# KiCad board evr-fmc.kicad_pcb (continued)
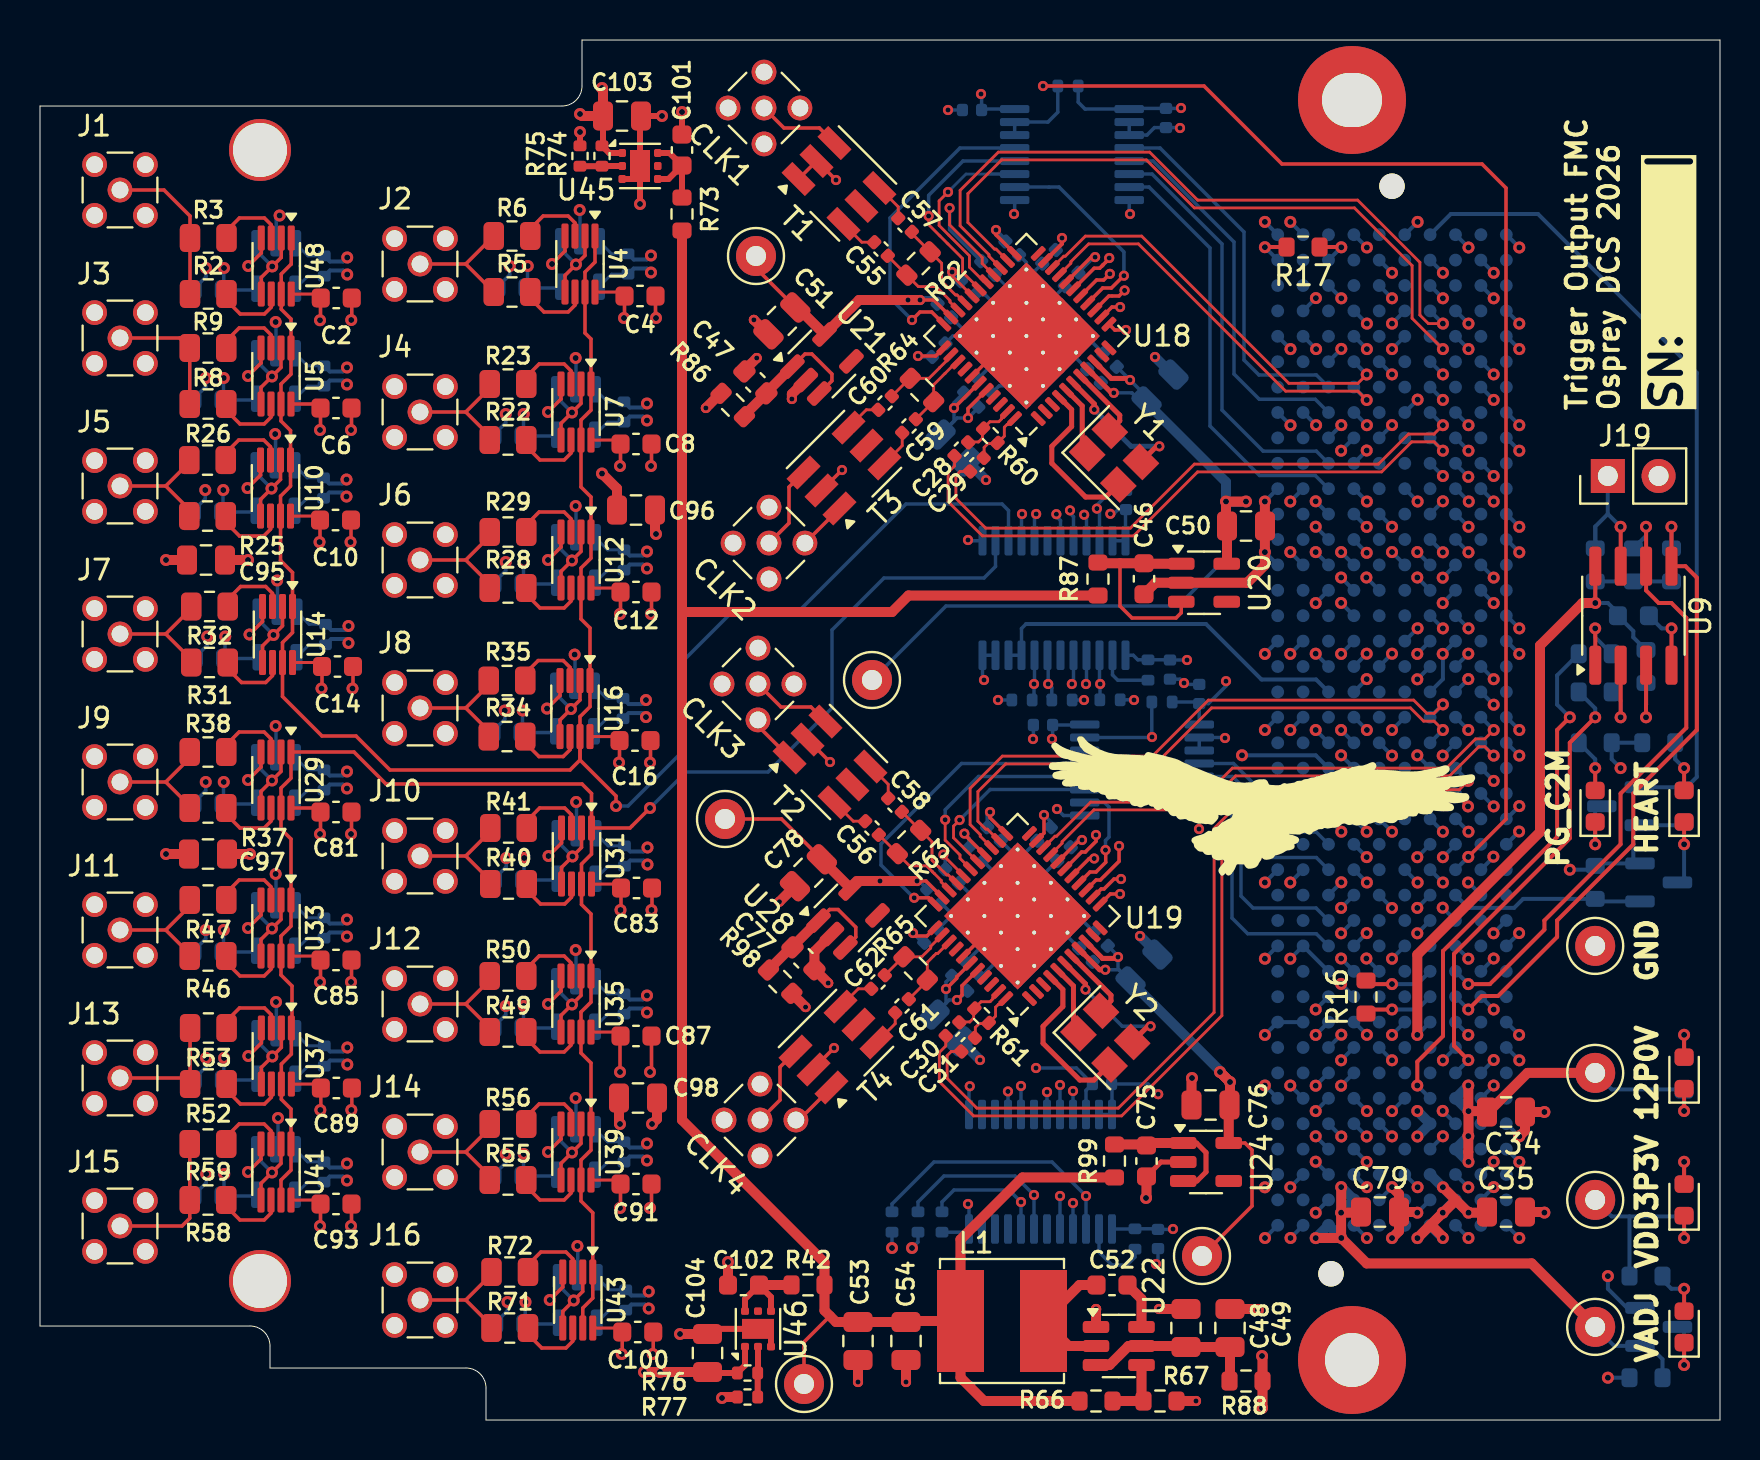
[diagram p0: board, top side]
## Library data of the parts (continued)
P1 = -: Description: CONN ARRAY PLUG 400POS SMD GOLD; Manufacturer: Samtec Inc.; Digikey: SAM8730-ND
Q1-Q3 = -: Description: MOSFET N-CH 20V 1.7A SUPERSOT3; Manufacturer: onsemi; Digikey: FDN335NDKR-ND
R1 R4 R7 R21 R24 R27 R30 R33 R36 R39 R45 R48 R51 R54 R57 R60 R61 R69 = -: Description: RES 100 OHM 1% 1/16W 0402; MPN: RC0402FR-07100RL; Manufacturer: Yageo; Digikey: 311-100LRDKR-ND; ki_fp_filters: R_*
R2 R3 R5 R6 R8 R9 R22 R23 R25 R26 R28 R29 R31 R32 R34 R35 R37 R38 R40 R41 R46 R47 R49 R50 R52 R53 R55 R56 R58 R59 R71 R72 = -: Description: RES SMD 88.7 OHM 1% 1/8W 0805; MPN: CRCW080588R7FKEA; Manufacturer: Vishay Dale; Digikey: 541-88.7CDKR-ND; ki_fp_filters: R_*
R10-R12 R14 R15 = -: Description: RES 4.75K OHM 1% 1/10W 0603; MPN: RC0603FR-134K75L; Manufacturer: Yageo; Digikey: 13-RC0603FR-134K75LDKR-ND; ki_fp_filters: R_*
R13 = -: Description: RES 11.5K OHM 1% 1/10W 0603; MPN: RC0603FR-0711K5L; Manufacturer: Yageo; Digikey: 311-11.5KHRDKR-ND; ki_fp_filters: R_*
R16 R17 R42 R73 R86-R88 R98 R99 = -: Description: RES SMD 0 OHM JUMPER 1/10W 0603; MPN: ERJ-3GEY0R00V; Manufacturer: Panasonic Electronic Components; Digikey: P0.0GDKR-ND; ki_fp_filters: R_*
R18-R20 R95 = -: Description: RES 1K OHM 1% 1/4W 0603; MPN: ESR03EZPF1001; Manufacturer: Rohm Semiconductor; Digikey: RHM1.00KADDKR-ND; ki_fp_filters: R_*
R62-R65 = -: Description: RES SMD 100 OHM 0.1% 1/10W 0603; MPN: RG1608P-101-B-T5; Manufacturer: Susumu; Digikey: RG16P100BDKR-ND; ki_fp_filters: R_*
R66 = -: Description: RES 61.9K OHM 1% 1/10W 0603; Comment: RES 47K OHM 1% 1/10W 0603; Designator: R1; LCSC: C105579; MPN: RC0603FR-0761K9L; Manufacturer: Yageo; Digikey: 311-61.9KHRDKR-ND; ki_fp_filters: R_*
R67 = -: Description: RES 10K OHM 1% 1/10W 0603; Comment: RES 10K OHM 1% 1/10W 0603; Designator: R2; LCSC: C98220; MPN: RC0603FR-0710KL; Manufacturer: Yageo; Digikey: 311-10.0KHRDKR-ND; ki_fp_filters: R_*
R68 R70 R89-R94 R96 R97 = -: Description: RES 4.75K OHM 1% 1/10W 0603; MPN: RC0402FR-074K75L; Manufacturer: Yageo; Digikey: 311-4.75KLDKR-ND; ki_fp_filters: R_*
R74 R77 = -: Description: RES 10.7K OHM 1% 1/16W 0402; MPN: RC0402FR-1310K7L; Manufacturer: Yageo; Digikey: 13-RC0402FR-1310K7LDKR-ND; ki_fp_filters: R_*
R75 R76 = -: Description: RES 86.6K OHM 1% 1/16W 0402; MPN: RC0402FR-0786K6L; Manufacturer: Yageo; Digikey: YAG3249DKR-ND; ki_fp_filters: R_*
R100 = -: Description: RES 8.2K OHM 1% 1/10W 0603; MPN: RC0603FR-078K2L; Manufacturer: Yageo; Digikey: 311-8.20KHRDKR-ND; ki_fp_filters: R_*
R101-R103 = -: Description: RES 100K OHM 1% 1/10W 0603; MPN: RC0603FR-07100KL; Manufacturer: Yageo; Digikey: 311-100KHRDKR-ND; ki_fp_filters: R_*
T1-T4 = -: Datasheet: https://www.minicircuits.com/pdfs/TCM2-43X+.pdf; Description: 1:2 CORE & WIRE TRANSFORMER, 10; Manufacturer: MiniCircuits; Digikey: 3157-TCM2-43X+DKR-ND
TP1 = -: Description: PC TEST POINT MINIATURE BLACK; MPN: 5001; Manufacturer: Keystone Electronics; Digikey: 36-5001-ND; ki_fp_filters: Pin* Test*
TP2-TP4 TP7 TP8 = -: Description: PC TEST POINT MINIATURE RED; MPN: 5000; Manufacturer: Keystone Electronics; Digikey: 36-5000-ND; ki_fp_filters: Pin* Test*
TP5 = -: Description: PC TEST POINT MINIATURE RED; Comment: Red PC Test Point, Miniature Phosphor Bronze Silver Plating Through Hole Mounting Type; Manufacturer: Keystone Electronics; MPN: 5000; Digikey: 36-5000-ND; ki_fp_filters: Pin* Test*
TP6 = -: Description: PC TEST POINT MINIATURE RED; Comment: Red PC Test Point, Miniature Phosphor Bronze Silver Plating Through Hole Mounting Type; Designator: TP4; LCSC: C5199900; MPN: 5000; Manufacturer: Keystone Electronics; Digikey: 36-5000-ND; ki_fp_filters: Pin* Test*
TP9 = -: Description: PC TEST POINT MINIATURE RED; Comment: Red PC Test Point, Miniature Phosphor Bronze Silver Plating Through Hole Mounting Type; Designator: TP5; LCSC: C5199900; MPN: 5000; Manufacturer: Keystone Electronics; Digikey: 36-5000-ND; ki_fp_filters: Pin* Test*
U1-U3 U6 U8 U11 U13 U15 U17 U30 U32 U34 U36 U38 U40 U42 = -: Datasheet: https://www.ti.com/lit/ds/symlink/tlv3601.pdf; Description: IC COMPARATOR 1CH SOT-23-5; Digikey: 296-TLV3601DBVRDKR-ND; MPN: TLV3601DBVR; Manufacturer: Texas Instruments; ki_fp_filters: SOT?23*
U4 U5 U7 U10 U12 U14 U16 U29 U31 U33 U35 U37 U39 U41 U43 U48 = -: Datasheet: https://www.ti.com/lit/ds/symlink/sn74lvc2g126.pdf; Description: IC BUFF 1.65V 8-VSSOP; Digikey: 296-32321-6-ND; MPN: SN74LVC2G126DCUT; Manufacturer: Texas Instruments; ki_fp_filters: SOT?23* SOT?363* SC?70*
U9 = -: Datasheet: https://ww1.microchip.com/downloads/aemDocuments/documents/MPD/ProductDocuments/DataSheets/AT24C64D-64-Kbit-Serial-EEPROM-I2C-Compatible-Two-Wire-DS20005937.pdf; Description: IC EEPROM 64KBIT I2C 1MHZ 8SOIC; MPN: AT24C64D-SSHM-T; Manufacturer: Microchip Technology; Digikey: AT24C64D-SSHM-TDKR-ND; ki_fp_filters: SOIC*3.9x4.9mm*P1.27mm*
U18 U19 = -: Datasheet: https://www.skyworksinc.com/-/media/SkyWorks/SL/documents/public/data-sheets/si5395-94-92-a-datasheet.pdf; Description: IC CLOCK MULTIPLIER 44QFN; MPN: SI5394A-A-GM; Manufacturer: Skyworks Solutions Inc.; Digikey: 336-4800-ND; ki_fp_filters: PW0020A-IPC_A PW0020A-IPC_B PW0020A-IPC_C PW0020A-MFG
U20 U24 = -: Datasheet: https://www.ti.com/lit/ds/symlink/tlv757p.pdf; Description: 1A Low IQ Small Size Low Dropout Voltage Regulator, Fixed Output 3.3V, SOT-23-5; Manufacturer: Texas Instruments; Digikey: 296-50414-6-ND; ki_fp_filters: SOT?23*
U21 U28 = -: Datasheet: https://www.ti.com/lit/ds/symlink/tlv757p.pdf; Description: 1A Low IQ Small Size Low Dropout Voltage Regulator, Fixed Output 1.8V, SOT-23-5; Manufacturer: Texas Instruments; Digikey: 296-50413-6-ND; ki_fp_filters: SOT?23*
U22 = -: Datasheet: http://www.ti.com/lit/ds/symlink/tps563200.pdf; Description: IC REG BUCK ADJ 3A SOT23; Digikey: 296-38434-6-ND; MPN: TPS563200DDCT; Manufacturer: Texas Instruments; ki_fp_filters: SOT?23*
U23 U25 = -: Datasheet: https://www.ti.com/lit/ds/symlink/sn74avc4t245.pdf; Description: IC TRANSLATION TXRX 1.2V/3.6V; MPN: SN74AVC4T245PWR; Manufacturer: Texas Instruments; Digikey: 296-18056-6-ND
U26 U27 = -: Datasheet: https://www.ti.com/lit/ds/symlink/sn74lvc8t245.pdf; Description: IC TRANSLATION TXRX 1.65V; MPN: SN74LVC8T245PWR; Manufacturer: Texas Instruments; Digikey: 296-18593-6-ND
U45 U46 = -: Datasheet: https://www.ti.com/lit/ds/symlink/tlv758p.pdf; Description: IC REG LINEAR POS ADJ 1A 6-WSON; Digikey: 296-TLV75901PDRVRDKR-ND; MPN: TLV75901PDRVR; Manufacturer: Texas Instruments; ki_fp_filters: WSON*1EP*2x2mm*P0.65mm*
Y1 Y2 = -: Datasheet: https://mm.digikey.com/Volume0/opasdata/d220001/medias/docus/8910/kyocera_09112019_CX3225SB.pdf; Description: CRYSTAL 48.0000MHZ 8PF SMD; Manufacturer: KYOCERA AVX; Digikey: 478-CX3225SB48000D0FPJC1DKR-ND; ki_fp_filters: Crystal*

## Footprints (pads in the part's own frame, mm; a bottom-side part is the same pattern mirrored in y, then rotated)
C_0402_1005Metric
  rrect 0.56x0.62 smd: 1(-0.48,0) 2(0.48,0)
C_0603_1608Metric
  rrect 0.9x0.95 smd: 1(-0.775,0) 2(0.775,0)
C_0805_2012Metric
  rrect 1x1.45 smd: 1(-0.95,0) 2(0.95,0)
Crystal_SMD_Abracon_ABM8AIG-4Pin_3.2x2.5mm
  rect 1.4x1.2 smd: 1(-1.1,-0.8) 2(1.1,-0.8) 3(1.1,0.8) 4(-1.1,0.8)
L_Bourns_SRN6045TA
  rect 2.35x5.1 smd: 1(-2.075,0) 2(2.075,0)
LED_0603_1608Metric
  rrect 0.875x0.95 smd: 1(-0.787,0) 2(0.787,0)
Mini-Circuits_DB1627
  rect 0.76x1.65 smd: 1(-1.27,1.59) 2(0,1.59) 3(1.27,1.59) 4(1.27,-1.59) 5(0,-1.59) 6(-1.27,-1.59)
MMCX_Molex_73415-1471_Vertical
  round 1.24 hole 0.84: 1(0,0) 2(-1.27,1.27) 2(-1.27,-1.27) 2(1.27,1.27) 2(1.27,-1.27)
MountingHole_2.7mm_M2.5_Pad
  round 5.4 hole 2.7: 1(0,0)
MountingHole_2.7mm_M2.5_Pad_Marble_Slot
  round 5.4 hole 3x2.7: 1(0,0)
MountingHole_2.7mm_Pad_3.1mm
  round 3.1 hole 2.7: 1(0,0)
PinHeader_1x02_P2.54mm_Vertical
  rect 1.7x1.7 hole 1: 1(0,0)
  round 1.7 hole 1: 2(0,-2.54)
QFN-44-1EP_7x7mm_P0.5mm_EP5.2x5.2mm_ThermalVias
  rrect 1.01x1.01 smd: (-1.95,1.95) (-1.95,0.65) (-1.95,-0.65) (-1.95,-1.95) (-0.65,1.95) (-0.65,0.65) (-0.65,-0.65) (-0.65,-1.95) (0.65,1.95) (0.65,0.65) (0.65,-0.65) (0.65,-1.95) (1.95,1.95) (1.95,0.65) (1.95,-0.65) (1.95,-1.95)
  rrect 0.85x0.3 smd: 1(-3.337,2.5) 2(-3.337,2) 3(-3.337,1.5) 4(-3.337,1) 5(-3.337,0.5) 6(-3.337,0) 7(-3.337,-0.5) 8(-3.337,-1) 9(-3.337,-1.5) 10(-3.337,-2) 11(-3.337,-2.5) 23(3.337,-2.5) 24(3.337,-2) 25(3.337,-1.5) 26(3.337,-1) 27(3.337,-0.5) 28(3.337,0) 29(3.337,0.5) 30(3.337,1) 31(3.337,1.5) 32(3.337,2) 33(3.337,2.5)
  rrect 0.3x0.85 smd: 12(-2.5,-3.337) 13(-2,-3.337) 14(-1.5,-3.337) 15(-1,-3.337) 16(-0.5,-3.337) 17(0,-3.337) 18(0.5,-3.337) 19(1,-3.337) 20(1.5,-3.337) 21(2,-3.337) 22(2.5,-3.337) 34(2.5,3.337) 35(2,3.337) 36(1.5,3.337) 37(1,3.337) 38(0.5,3.337) 39(0,3.337) 40(-0.5,3.337) 41(-1,3.337) 42(-1.5,3.337) 43(-2,3.337) 44(-2.5,3.337)
  round 0.5 hole 0.2: 45(-2.35,2.35) 45(-2.35,0) 45(-2.35,-2.35) 45(-2.35,1.175) 45(-2.35,-1.175) 45(-1.175,2.35) 45(-1.175,1.175) 45(-1.175,-1.175) 45(-1.175,-2.35) 45(-1.175,0) 45(0,2.35) 45(0,1.175) 45(0,0) 45(0,-1.175) 45(0,-2.35) 45(1.175,0) 45(1.175,2.35) 45(1.175,1.175) 45(1.175,-1.175) 45(1.175,-2.35) 45(2.35,1.175) 45(2.35,-1.175) 45(2.35,2.35) 45(2.35,0) 45(2.35,-2.35)
  rect 5.2x5.2 smd: 45(0,0)
  rect 5.2x5.2 smd far side: 45(0,0)
R_0402_1005Metric
  rrect 0.54x0.64 smd: 1(-0.51,0) 2(0.51,0)
R_0603_1608Metric
  rrect 0.8x0.95 smd: 1(-0.825,0) 2(0.825,0)
R_0805_2012Metric
  rrect 1.025x1.4 smd: 1(-0.912,0) 2(0.912,0)
Samtec_FMC_ASP-134602-01_10x40_P1.27mm_Vertical
  round 1.27 hole 1.27 unplated: (0,27.19) (3.05,-27.19)
  round 0.64 smd: A1(-5.715,24.765) A2(-5.715,23.495) A3(-5.715,22.225) A4(-5.715,20.955) A5(-5.715,19.685) A6(-5.715,18.415) A7(-5.715,17.145) A8(-5.715,15.875) A9(-5.715,14.605) A10(-5.715,13.335) A11(-5.715,12.065) A12(-5.715,10.795) A13(-5.715,9.525) A14(-5.715,8.255) A15(-5.715,6.985) A16(-5.715,5.715) A17(-5.715,4.445) A18(-5.715,3.175) A19(-5.715,1.905) A20(-5.715,0.64) A21(-5.715,-0.64) A22(-5.715,-1.905) A23(-5.715,-3.175) A24(-5.715,-4.445) A25(-5.715,-5.715) A26(-5.715,-6.985) A27(-5.715,-8.255) A28(-5.715,-9.525) A29(-5.715,-10.795) A30(-5.715,-12.065) A31(-5.715,-13.335) A32(-5.715,-14.605) A33(-5.715,-15.875) A34(-5.715,-17.145) A35(-5.715,-18.415) A36(-5.715,-19.685) A37(-5.715,-20.955) A38(-5.715,-22.225) A39(-5.715,-23.495) A40(-5.715,-24.765) B1(-4.445,24.765) B2(-4.445,23.495) B3(-4.445,22.225) B4(-4.445,20.955) B5(-4.445,19.685) B6(-4.445,18.415) B7(-4.445,17.145) B8(-4.445,15.875) B9(-4.445,14.605) B10(-4.445,13.335) B11(-4.445,12.065) B12(-4.445,10.795) B13(-4.445,9.525) B14(-4.445,8.255) B15(-4.445,6.985) B16(-4.445,5.715) B17(-4.445,4.445) B18(-4.445,3.175) B19(-4.445,1.905) B20(-4.445,0.64) B21(-4.445,-0.64) B22(-4.445,-1.905) B23(-4.445,-3.175) B24(-4.445,-4.445) B25(-4.445,-5.715) B26(-4.445,-6.985) B27(-4.445,-8.255) B28(-4.445,-9.525) B29(-4.445,-10.795) B30(-4.445,-12.065) B31(-4.445,-13.335) B32(-4.445,-14.605) B33(-4.445,-15.875) B34(-4.445,-17.145) B35(-4.445,-18.415) B36(-4.445,-19.685) B37(-4.445,-20.955) B38(-4.445,-22.225) B39(-4.445,-23.495) B40(-4.445,-24.765) C1(-3.175,24.765) C2(-3.175,23.495) C3(-3.175,22.225) C4(-3.175,20.955) C5(-3.175,19.685) C6(-3.175,18.415) C7(-3.175,17.145) C8(-3.175,15.875) C9(-3.175,14.605) C10(-3.175,13.335) C11(-3.175,12.065) C12(-3.175,10.795) C13(-3.175,9.525) C14(-3.175,8.255) C15(-3.175,6.985) C16(-3.175,5.715) C17(-3.175,4.445) C18(-3.175,3.175) C19(-3.175,1.905) C20(-3.175,0.64) C21(-3.175,-0.64) C22(-3.175,-1.905) C23(-3.175,-3.175) C24(-3.175,-4.445) C25(-3.175,-5.715) C26(-3.175,-6.985) C27(-3.175,-8.255) C28(-3.175,-9.525) C29(-3.175,-10.795) C30(-3.175,-12.065) C31(-3.175,-13.335) C32(-3.175,-14.605) C33(-3.175,-15.875) C34(-3.175,-17.145) C35(-3.175,-18.415) C36(-3.175,-19.685) C37(-3.175,-20.955) C38(-3.175,-22.225) C39(-3.175,-23.495) C40(-3.175,-24.765) D1(-1.905,24.765) D2(-1.905,23.495) D3(-1.905,22.225) D4(-1.905,20.955) D5(-1.905,19.685) D6(-1.905,18.415) D7(-1.905,17.145) D8(-1.905,15.875) D9(-1.905,14.605) D10(-1.905,13.335) D11(-1.905,12.065) D12(-1.905,10.795) D13(-1.905,9.525) D14(-1.905,8.255) D15(-1.905,6.985) D16(-1.905,5.715) D17(-1.905,4.445) D18(-1.905,3.175) D19(-1.905,1.905) D20(-1.905,0.64) D21(-1.905,-0.64) D22(-1.905,-1.905) D23(-1.905,-3.175) D24(-1.905,-4.445) D25(-1.905,-5.715) D26(-1.905,-6.985) D27(-1.905,-8.255) D28(-1.905,-9.525) D29(-1.905,-10.795) D30(-1.905,-12.065) D31(-1.905,-13.335) D32(-1.905,-14.605) D33(-1.905,-15.875) D34(-1.905,-17.145) D35(-1.905,-18.415) D36(-1.905,-19.685) D37(-1.905,-20.955) D38(-1.905,-22.225) D39(-1.905,-23.495) D40(-1.905,-24.765) E1(-0.64,24.765) E2(-0.64,23.495) E3(-0.64,22.225) E4(-0.64,20.955) E5(-0.64,19.685) E6(-0.64,18.415) E7(-0.64,17.145) E8(-0.64,15.875) E9(-0.64,14.605) E10(-0.64,13.335) E11(-0.64,12.065) E12(-0.64,10.795) E13(-0.64,9.525) E14(-0.64,8.255) E15(-0.64,6.985) E16(-0.64,5.715) E17(-0.64,4.445) E18(-0.64,3.175) E19(-0.64,1.905) E20(-0.64,0.64) E21(-0.64,-0.64) E22(-0.64,-1.905) E23(-0.64,-3.175) E24(-0.64,-4.445) E25(-0.64,-5.715) E26(-0.64,-6.985) E27(-0.64,-8.255) E28(-0.64,-9.525) E29(-0.64,-10.795) E30(-0.64,-12.065) E31(-0.64,-13.335) E32(-0.64,-14.605) E33(-0.64,-15.875) E34(-0.64,-17.145) E35(-0.64,-18.415) E36(-0.64,-19.685) E37(-0.64,-20.955) E38(-0.64,-22.225) E39(-0.64,-23.495) E40(-0.64,-24.765) F1(0.64,24.765) F2(0.64,23.495) F3(0.64,22.225) F4(0.64,20.955) F5(0.64,19.685) F6(0.64,18.415) F7(0.64,17.145) F8(0.64,15.875) F9(0.64,14.605) F10(0.64,13.335) F11(0.64,12.065) F12(0.64,10.795) F13(0.64,9.525) F14(0.64,8.255) F15(0.64,6.985) F16(0.64,5.715) F17(0.64,4.445) F18(0.64,3.175) F19(0.64,1.905) F20(0.64,0.64) F21(0.64,-0.64) F22(0.64,-1.905) F23(0.64,-3.175) F24(0.64,-4.445) F25(0.64,-5.715) F26(0.64,-6.985) F27(0.64,-8.255) F28(0.64,-9.525) F29(0.64,-10.795) F30(0.64,-12.065) F31(0.64,-13.335) F32(0.64,-14.605) F33(0.64,-15.875) F34(0.64,-17.145) F35(0.64,-18.415) F36(0.64,-19.685) F37(0.64,-20.955) F38(0.64,-22.225) F39(0.64,-23.495) F40(0.64,-24.765) G1(1.905,24.765) G2(1.905,23.495) G3(1.905,22.225) G4(1.905,20.955) G5(1.905,19.685) G6(1.905,18.415) G7(1.905,17.145) G8(1.905,15.875) G9(1.905,14.605) G10(1.905,13.335) G11(1.905,12.065) G12(1.905,10.795) G13(1.905,9.525) G14(1.905,8.255) G15(1.905,6.985) G16(1.905,5.715) G17(1.905,4.445) G18(1.905,3.175) G19(1.905,1.905) G20(1.905,0.64) G21(1.905,-0.64) G22(1.905,-1.905) G23(1.905,-3.175) G24(1.905,-4.445) G25(1.905,-5.715) G26(1.905,-6.985) G27(1.905,-8.255) G28(1.905,-9.525) G29(1.905,-10.795) G30(1.905,-12.065) G31(1.905,-13.335) G32(1.905,-14.605) G33(1.905,-15.875) G34(1.905,-17.145) G35(1.905,-18.415) G36(1.905,-19.685) G37(1.905,-20.955) G38(1.905,-22.225) G39(1.905,-23.495) G40(1.905,-24.765) H1(3.175,24.765) H2(3.175,23.495) H3(3.175,22.225) H4(3.175,20.955) H5(3.175,19.685) H6(3.175,18.415) H7(3.175,17.145) H8(3.175,15.875) H9(3.175,14.605) H10(3.175,13.335) H11(3.175,12.065) H12(3.175,10.795) H13(3.175,9.525) H14(3.175,8.255) H15(3.175,6.985) H16(3.175,5.715) H17(3.175,4.445) H18(3.175,3.175) H19(3.175,1.905) H20(3.175,0.64) H21(3.175,-0.64) H22(3.175,-1.905) H23(3.175,-3.175) H24(3.175,-4.445) H25(3.175,-5.715) H26(3.175,-6.985) H27(3.175,-8.255) H28(3.175,-9.525) H29(3.175,-10.795) H30(3.175,-12.065) H31(3.175,-13.335) H32(3.175,-14.605) H33(3.175,-15.875) H34(3.175,-17.145) H35(3.175,-18.415) H36(3.175,-19.685) H37(3.175,-20.955) H38(3.175,-22.225) H39(3.175,-23.495) H40(3.175,-24.765) J1(4.445,24.765) J2(4.445,23.495) J3(4.445,22.225) J4(4.445,20.955) J5(4.445,19.685) J6(4.445,18.415) J7(4.445,17.145) J8(4.445,15.875) J9(4.445,14.605) J10(4.445,13.335) J11(4.445,12.065) J12(4.445,10.795) J13(4.445,9.525) J14(4.445,8.255) J15(4.445,6.985) J16(4.445,5.715) J17(4.445,4.445) J18(4.445,3.175) J19(4.445,1.905) J20(4.445,0.64) J21(4.445,-0.64) J22(4.445,-1.905) J23(4.445,-3.175) J24(4.445,-4.445) J25(4.445,-5.715) J26(4.445,-6.985) J27(4.445,-8.255) J28(4.445,-9.525) J29(4.445,-10.795) J30(4.445,-12.065) J31(4.445,-13.335) J32(4.445,-14.605) J33(4.445,-15.875) J34(4.445,-17.145) J35(4.445,-18.415) J36(4.445,-19.685) J37(4.445,-20.955) J38(4.445,-22.225) J39(4.445,-23.495) J40(4.445,-24.765) K1(5.715,24.765) K2(5.715,23.495) K3(5.715,22.225) K4(5.715,20.955) K5(5.715,19.685) K6(5.715,18.415) K7(5.715,17.145) K8(5.715,15.875) K9(5.715,14.605) K10(5.715,13.335) K11(5.715,12.065) K12(5.715,10.795) K13(5.715,9.525) K14(5.715,8.255) K15(5.715,6.985) K16(5.715,5.715) K17(5.715,4.445) K18(5.715,3.175) K19(5.715,1.905) K20(5.715,0.64) K21(5.715,-0.64) K22(5.715,-1.905) K23(5.715,-3.175) K24(5.715,-4.445) K25(5.715,-5.715) K26(5.715,-6.985) K27(5.715,-8.255) K28(5.715,-9.525) K29(5.715,-10.795) K30(5.715,-12.065) K31(5.715,-13.335) K32(5.715,-14.605) K33(5.715,-15.875) K34(5.715,-17.145) K35(5.715,-18.415) K36(5.715,-19.685) K37(5.715,-20.955) K38(5.715,-22.225) K39(5.715,-23.495) K40(5.715,-24.765)
SOIC-8_3.9x4.9mm_P1.27mm
  rrect 1.95x0.6 smd: 1(-2.475,1.905) 2(-2.475,0.635) 3(-2.475,-0.635) 4(-2.475,-1.905) 5(2.475,-1.905) 6(2.475,-0.635) 7(2.475,0.635) 8(2.475,1.905)
SOT-23
  rrect 1.475x0.6 smd: 1(-0.938,0.95) 2(-0.938,-0.95) 3(0.938,0)
SOT-23-5
  rrect 1.325x0.6 smd: 1(-1.137,0.95) 2(-1.137,0) 3(-1.137,-0.95) 4(1.137,-0.95) 5(1.137,0.95)
SOT-23-6
  rrect 1.325x0.6 smd: 1(-1.137,0.95) 2(-1.137,0) 3(-1.137,-0.95) 4(1.137,-0.95) 5(1.137,0) 6(1.137,0.95)
TestPoint_Keystone_5000-5004_Miniature
  round 2 hole 1: 1(0,0)
TSSOP-16_4.4x5mm_P0.65mm
  rrect 1.475x0.4 smd: 1(-2.862,2.275) 2(-2.862,1.625) 3(-2.862,0.975) 4(-2.862,0.325) 5(-2.862,-0.325) 6(-2.862,-0.975) 7(-2.862,-1.625) 8(-2.862,-2.275) 9(2.862,-2.275) 10(2.862,-1.625) 11(2.862,-0.975) 12(2.862,-0.325) 13(2.862,0.325) 14(2.862,0.975) 15(2.862,1.625) 16(2.862,2.275)
TSSOP-24_4.4x7.8mm_P0.65mm
  rrect 1.475x0.4 smd: 1(-2.862,3.575) 2(-2.862,2.925) 3(-2.862,2.275) 4(-2.862,1.625) 5(-2.862,0.975) 6(-2.862,0.325) 7(-2.862,-0.325) 8(-2.862,-0.975) 9(-2.862,-1.625) 10(-2.862,-2.275) 11(-2.862,-2.925) 12(-2.862,-3.575) 13(2.862,-3.575) 14(2.862,-2.925) 15(2.862,-2.275) 16(2.862,-1.625) 17(2.862,-0.975) 18(2.862,-0.325) 19(2.862,0.325) 20(2.862,0.975) 21(2.862,1.625) 22(2.862,2.275) 23(2.862,2.925) 24(2.862,3.575)
VSSOP-8_2.3x2mm_P0.5mm
  rrect 1.25x0.35 smd: 1(-1.4,0.75) 2(-1.4,0.25) 3(-1.4,-0.25) 4(-1.4,-0.75) 5(1.4,-0.75) 6(1.4,-0.25) 7(1.4,0.25) 8(1.4,0.75)
WSON-6-1EP_2x2mm_P0.65mm_EP1x1.6mm
  rrect 0.81x0.64 smd: (0,0.4) (0,-0.4)
  rrect 0.375x0.4 smd: 1(-0.887,0.65) 2(-0.887,0) 3(-0.887,-0.65) 4(0.887,-0.65) 5(0.887,0) 6(0.887,0.65)
  rect 1x1.6 smd: 7(0,0)

## Nets
+12V_FMC: C34.1 P1.C35 P1.C37 R88.1 R100.2 TP2.1
/Digital IO/VCC_A: C1.2 C2.2 C3.2 C4.2 C5.2 C6.2 C7.2 C8.2 C9.2 C10.2 C11.2 C12.2 C13.2 C14.2 C15.2 C16.2 C95.1 C96.1 C103.1 R75.2 U1.5 U2.5 U3.5 U4.8 U5.8 U6.5 U7.8 U8.5 U10.8 U11.5 U12.8 U13.5 U14.8 U15.5 U16.8 U45.1 U48.8
/Digital IO/VCC_B: C80.2 C81.2 C82.2 C83.2 C84.2 C85.2 C86.2 C87.2 C88.2 C89.2 C90.2 C91.2 C92.2 C93.2 C94.2 C97.1 C98.1 C100.2 C104.1 R76.2 U17.5 U29.8 U30.5 U31.8 U32.5 U33.8 U34.5 U35.8 U36.5 U37.8 U38.5 U39.8 U40.5 U41.8 U42.5 U43.8 U46.1
/Jitter Cleaner0/VDD: C23.1 C24.1 C25.1 C26.1 C51.1 C73.1 TP5.1 U18.21 U18.32 U18.39 U18.40 U21.5
/Jitter Cleaner0/VDDA: C17.1 C18.1 C50.1 C63.1 TP7.1 U18.8 U18.9 U20.5
/Jitter Cleaner1/VDD: C41.1 C43.1 C44.1 C45.1 C74.1 C78.1 TP9.1 U19.21 U19.32 U19.39 U19.40 U28.5
/Jitter Cleaner1/VDDA: C37.1 C39.1 C64.1 C76.1 TP6.1 U19.8 U19.9 U24.5
GND: C1.1 C2.1 C3.1 C4.1 C5.1 C6.1 C7.1 C8.1 C9.1 C10.1 C11.1 C12.1 C13.1 C14.1 C15.1 C16.1 C17.2 C18.2 C19.2 C20.2 C21.2 C22.2 C23.2 C24.2 C25.2 C26.2 C27.2 C32.2 C33.2 C34.2 C35.2 C36.2 C37.2 C38.2 C39.2 C40.2 C41.2 C42.2 C43.2 C44.2 C45.2 C46.2 C47.2 C48.2 C49.2 C50.2 C51.2 C53.2 C54.2 C63.2 C64.2 C65.1 C66.1 C67.1 C68.1 C69.1 C70.1 C71.1 C72.1 C73.2 C74.2 C75.2 C76.2 C77.2 C78.2 C79.2 C80.1 C81.1 C82.1 C83.1 C84.1 C85.1 C86.1 C87.1 C88.1 C89.1 C90.1 C91.1 C92.1 C93.1 C94.1 C95.2 C96.2 C97.2 C98.2 C100.1 C101.2 C102.2 C103.2 C104.2 CLK1.2 CLK2.2 CLK3.2 CLK4.2 D3.1 D5.1 H1.1 H2.1 H3.1 H4.1 J1.2 J2.2 J3.2 J4.2 J5.2 J6.2 J7.2 J8.2 J9.2 J10.2 J11.2 J12.2 J13.2 J14.2 J15.2 J16.2 J19.2 P1.A1 P1.A4 P1.A5 P1.A8 P1.A9 P1.A12 P1.A13 P1.A16 P1.A17 P1.A20 P1.A21 P1.A24 P1.A25 P1.A28 P1.A29 P1.A32 P1.A33 P1.A36 P1.A37 P1.A40 P1.B2 P1.B3 P1.B6 P1.B7 P1.B10 P1.B11 P1.B14 P1.B15 P1.B18 P1.B19 P1.B22 P1.B23 P1.B26 P1.B27 P1.B30 P1.B31 P1.B34 P1.B35 P1.B38 P1.B39 P1.C1 P1.C4 P1.C5 P1.C8 P1.C9 P1.C12 P1.C13 P1.C16 P1.C17 P1.C20 P1.C21 P1.C24 P1.C25 P1.C28 P1.C29 P1.C32 P1.C33 P1.C36 P1.C38 P1.C40 P1.D2 P1.D3 P1.D6 P1.D7 P1.D10 P1.D13 P1.D16 P1.D19 P1.D22 P1.D25 P1.D28 P1.D37 P1.D39 P1.E1 P1.E4 P1.E5 P1.E8 P1.E11 P1.E14 P1.E17 P1.E20 P1.E23 P1.E26 P1.E29 P1.E32 P1.E35 P1.E38 P1.E40 P1.F2 P1.F3 P1.F6 P1.F9 P1.F12 P1.F15 P1.F18 P1.F21 P1.F24 P1.F27 P1.F30 P1.F33 P1.F36 P1.F39 P1.G1 P1.G4 P1.G5 P1.G8 P1.G11 P1.G14 P1.G17 P1.G20 P1.G23 P1.G26 P1.G29 P1.G32 P1.G35 P1.G38 P1.G40 P1.H3 P1.H6 P1.H9 P1.H12 P1.H15 P1.H18 P1.H21 P1.H24 P1.H27 P1.H30 P1.H33 P1.H36 P1.H39 P1.J1 P1.J4 P1.J5 P1.J8 P1.J11 P1.J14 P1.J17 P1.J20 P1.J23 P1.J26 P1.J29 P1.J32 P1.J35 P1.J38 P1.J40 P1.K1 P1.K2 P1.K5 P1.K8 P1.K11 P1.K14 P1.K17 P1.K20 P1.K23 P1.K26 P1.K29 P1.K32 P1.K35 P1.K38 P1.K40 Q1.2 Q2.2 Q3.2 R17.2 R67.2 R74.1 R77.1 R93.1 R94.1 R101.1 R102.1 R103.1 T1.1 T1.2 T2.1 T2.2 T3.1 T3.2 T4.1 T4.2 TP1.1 U1.2 U2.2 U3.2 U4.4 U5.4 U6.2 U7.4 U8.2 U9.4 U10.4 U11.2 U12.4 U13.2 U14.4 U15.2 U16.4 U17.2 U18.38 U18.45 U19.38 U19.45 U20.2 U21.2 U22.1 U23.2 U23.3 U23.8 U23.9 U24.2 U25.2 U25.3 U25.8 U25.9 U26.11 U26.12 U26.13 U26.22 U27.11 U27.12 U27.13 U27.22 U28.2 U29.4 U30.2 U31.4 U32.2 U33.4 U34.2 U35.4 U36.2 U37.4 U38.2 U39.4 U40.2 U41.4 U42.2 U43.4 U45.3 U45.7 U46.3 U46.7 U48.4
VDD3P3V: C27.1 C35.1 C42.1 C65.2 C67.2 C70.2 C72.2 P1.C39 P1.D36 P1.D38 P1.D40 R18.2 R19.2 R20.2 R86.1 R95.2 R98.1 TP3.1 U18.26 U19.26 U23.16 U25.16 U26.23 U26.24 U27.23 U27.24
3P3VAUX: C33.1 P1.D32 R12.1 R13.1 R14.1 R15.1 U9.8
/Digital IO/D_Output0.N: P1.G13 R1.2 U1.4
/Digital IO/D_Output0.P: P1.G12 R1.1 U1.3
/Digital IO/D_Output1.N: P1.H14 R4.2 U3.4
/Digital IO/D_Output1.P: P1.H13 R4.1 U3.3
/Digital IO/D_Output2.N: P1.G16 R7.2 U2.4
/Digital IO/D_Output2.P: P1.G15 R7.1 U2.3
/Digital IO/D_Output3.N: P1.D15 R21.2 U6.4
/Digital IO/D_Output3.P: P1.D14 R21.1 U6.3
/Digital IO/D_Output4.N: P1.C15 R24.2 U8.4
/Digital IO/D_Output4.P: P1.C14 R24.1 U8.3
/Digital IO/D_Output5.N: P1.G19 R27.2 U11.4
/Digital IO/D_Output5.P: P1.G18 R27.1 U11.3
/Digital IO/D_Output6.N: P1.D18 R30.2 U13.4
/Digital IO/D_Output6.P: P1.D17 R30.1 U13.3
/Digital IO/D_Output7.N: P1.C19 R33.2 U15.4
/Digital IO/D_Output7.P: P1.C18 R33.1 U15.3
/Digital IO/D_Output8.N: P1.G22 R36.2 U17.4
/Digital IO/D_Output8.P: P1.G21 R36.1 U17.3
/Digital IO/D_Output9.N: P1.G28 R39.2 U30.4
/Digital IO/D_Output9.P: P1.G27 R39.1 U30.3
/Digital IO/D_Output10.N: P1.G31 R45.2 U32.4
/Digital IO/D_Output10.P: P1.G30 R45.1 U32.3
/Digital IO/D_Output11.N: P1.H32 R48.2 U34.4
/Digital IO/D_Output11.P: P1.H31 R48.1 U34.3
/Digital IO/D_Output12.N: P1.G34 R51.2 U36.4
/Digital IO/D_Output12.P: P1.G33 R51.1 U36.3
/Digital IO/D_Output13.N: P1.H35 R54.2 U38.4
/Digital IO/D_Output13.P: P1.H34 R54.1 U38.3
/Digital IO/D_Output14.N: P1.H38 R57.2 U40.4
/Digital IO/D_Output14.P: P1.H37 R57.1 U40.3
/Digital IO/D_Output15.N: P1.G37 R69.2 U42.4
/Digital IO/D_Output15.P: P1.G36 R69.1 U42.3
/Digital IO/OE_A: U4.1 U4.7 U5.1 U5.7 U7.1 U7.7 U10.1 U10.7 U12.1 U12.7 U14.1 U14.7 U16.1 U16.7 U26.15 U48.1 U48.7
/Digital IO/OE_B: U26.14 U29.1 U29.7 U31.1 U31.7 U33.1 U33.7 U35.1 U35.7 U37.1 U37.7 U39.1 U39.7 U41.1 U41.7 U43.1 U43.7
/Digital IO/out_buffer0/Out: J1.1 R2.2 R3.2
/Digital IO/out_buffer1/Out: J2.1 R5.2 R6.2
/Digital IO/out_buffer2/Out: J3.1 R8.2 R9.2
/Digital IO/out_buffer3/Out: J4.1 R22.2 R23.2
/Digital IO/out_buffer4/Out: J5.1 R25.2 R26.2
/Digital IO/out_buffer5/Out: J6.1 R28.2 R29.2
/Digital IO/out_buffer6/Out: J7.1 R31.2 R32.2
/Digital IO/out_buffer7/Out: J8.1 R34.2 R35.2
/Digital IO/out_buffer8/Out: J9.1 R37.2 R38.2
/Digital IO/out_buffer9/Out: J10.1 R40.2 R41.2
/Digital IO/out_buffer10/Out: J11.1 R46.2 R47.2
/Digital IO/out_buffer11/Out: J12.1 R49.2 R50.2
/Digital IO/out_buffer12/Out: J13.1 R52.2 R53.2
/Digital IO/out_buffer13/Out: J14.1 R55.2 R56.2
/Digital IO/out_buffer14/Out: J15.1 R58.2 R59.2
/Digital IO/out_buffer15/Out: J16.1 R71.2 R72.2
/Digital IO/Switched_5P45V: C53.1 C54.1 L1.2 R42.1 R66.1 R73.1 R87.1 R99.1 TP8.1
/FMC/Cleaned_CLK_0.N: P1.G7 U18.19
/FMC/Cleaned_CLK_0.P: P1.G6 U18.20
/FMC/Cleaned_CLK_1.N: P1.D21 U19.24
/FMC/Cleaned_CLK_1.P: P1.D20 U19.25
/FMC/Cleaner_Fault_0.INTR: P1.H7 U23.4
/FMC/Cleaner_Fault_0.LOL: P1.H10 U23.6
/FMC/Cleaner_Fault_0.LOS_XO: P1.H8 U23.5
/FMC/Cleaner_Fault_1.INTR: P1.H25 U25.4
/FMC/Cleaner_Fault_1.LOL: P1.H28 U25.6
/FMC/Cleaner_Fault_1.LOS_XO: P1.H26 U25.5
/FMC/Cleaner_SPI_0.CLK: P1.C10 U26.5
/FMC/Cleaner_SPI_0.CS: P1.G10 R89.1 U26.7
/FMC/Cleaner_SPI_0.OE: P1.D12 R91.1 U26.3
/FMC/Cleaner_SPI_0.SDI: P1.C11 U26.4
/FMC/Cleaner_SPI_0.SDO: P1.H11 U23.7
/FMC/Cleaner_SPI_1.CLK: P1.D24 U27.5
/FMC/Cleaner_SPI_1.CS: P1.G25 R90.1 U27.7
/FMC/Cleaner_SPI_1.OE: P1.D27 R92.1 U27.3
/FMC/Cleaner_SPI_1.SDI: P1.D26 U27.4
/FMC/Cleaner_SPI_1.SDO: P1.H29 U25.7
/FMC/Cleaner_~{OE}_0: P1.C26 R96.1 U23.14 U23.15
/FMC/Cleaner_~{OE}_1: P1.H22 R97.1 U25.14 U25.15
/FMC/Cleaner_~{RST}_0: P1.G9 R93.2 U26.8
/FMC/Cleaner_~{RST}_1: P1.G24 R94.2 U27.8
/FMC/EEPROM_GA0: P1.C34 R11.1
/FMC/EEPROM_GA1: P1.D35 R10.1
/FMC/EEPROM_SCL: P1.C30 R15.2 U9.6
/FMC/EEPROM_SDA: P1.C31 R14.2 U9.5
/FMC/FMC_GBTCLK0.N: P1.D5 U18.24
/FMC/FMC_GBTCLK0.P: P1.D4 U18.25
/FMC/FMC_GBTCLK1.N: P1.B21 U19.19
/FMC/FMC_GBTCLK1.P: P1.B20 U19.20
/FMC/OE_Digital_Outputs: P1.H19 U26.9 U26.10
/FMC/Recovered_CLK_0.N: C29.1 P1.D8
/FMC/Recovered_CLK_0.P: C28.1 P1.D9
/FMC/Recovered_CLK_1.N: C31.1 P1.C22
/FMC/Recovered_CLK_1.P: C30.1 P1.C23
/Jitter Cleaner0/Cleaned_CLK2.N: C57.1 R62.2 U18.30
/Jitter Cleaner0/Cleaned_CLK2.P: C55.1 R62.1 U18.31
/Jitter Cleaner0/Cleaned_CLK3.N: C60.1 R64.2 U18.35
/Jitter Cleaner0/Cleaned_CLK3.P: C59.1 R64.1 U18.36
/Jitter Cleaner0/Control.INTR: U18.33 U23.13
/Jitter Cleaner0/Control.LOL: U18.27 U23.11
/Jitter Cleaner0/Control.LOS_XO: U18.28 U23.12
/Jitter Cleaner0/Control.OE: U18.12 U26.21
/Jitter Cleaner0/Control.RST: U18.17 U26.16
/Jitter Cleaner0/Control.SPI_CLK: U18.14 U26.19
/Jitter Cleaner0/Control.SPI_CS: U18.16 U26.17
/Jitter Cleaner0/Control.SPI_SDI: U18.13 U26.20
/Jitter Cleaner0/Control.SPI_SDO: U18.15 U23.10
/Jitter Cleaner0/In0.N: C29.2 R60.2 U18.44
/Jitter Cleaner0/In0.P: C28.2 R60.1 U18.43
/Jitter Cleaner1/Cleaned_CLK2.N: C58.1 R63.2 U19.30
/Jitter Cleaner1/Cleaned_CLK2.P: C56.1 R63.1 U19.31
/Jitter Cleaner1/Cleaned_CLK3.N: C62.1 R65.2 U19.35
/Jitter Cleaner1/Cleaned_CLK3.P: C61.1 R65.1 U19.36
/Jitter Cleaner1/Control.INTR: U19.33 U25.13
/Jitter Cleaner1/Control.LOL: U19.27 U25.11
/Jitter Cleaner1/Control.LOS_XO: U19.28 U25.12
/Jitter Cleaner1/Control.OE: U19.12 U27.21
/Jitter Cleaner1/Control.RST: U19.17 U27.16
/Jitter Cleaner1/Control.SPI_CLK: U19.14 U27.19
/Jitter Cleaner1/Control.SPI_CS: U19.16 U27.17
/Jitter Cleaner1/Control.SPI_SDI: U19.13 U27.20
/Jitter Cleaner1/Control.SPI_SDO: U19.15 U25.10
/Jitter Cleaner1/In0.N: C31.2 R61.2 U19.44
/Jitter Cleaner1/In0.P: C30.2 R61.1 U19.43
Heartbeat_LED: P1.C27 Q3.1 R103.2
PG_C2M: P1.D1 Q1.1 R101.2
PRSNT: P1.H2 R17.1
TDI: P1.D30 R16.2
TDO: P1.D31 R16.1
VADJ: C19.1 C20.1 C21.1 C22.1 C32.1 C36.1 C38.1 C40.1 C66.2 C68.2 C69.2 C71.2 C79.1 P1.G39 P1.H40 Q2.1 R68.2 R70.2 R89.2 R90.2 R91.2 R92.2 R96.2 R97.2 R102.2 TP4.1 U18.18 U18.23 U18.29 U18.34 U19.18 U19.23 U19.29 U19.34 U23.1 U25.1 U26.1 U27.1
Net-(CLK1-In): CLK1.1 T1.3
Net-(CLK2-In): CLK2.1 T3.3
Net-(CLK3-In): CLK3.1 T2.3
Net-(CLK4-In): CLK4.1 T4.3
Net-(D1-A): D1.2 R18.1
Net-(D1-K): D1.1 Q1.3
Net-(D2-A): D2.2 R19.1
Net-(D2-K): D2.1 Q2.3
Net-(D3-A): D3.2 R20.1
Net-(D4-A): D4.2 R95.1
Net-(D4-K): D4.1 Q3.3
Net-(D5-A): D5.2 R100.1
Net-(J19-Pin_1): J19.1 R13.2 U9.7
Net-(T1-SEC): C57.2 T1.4
Net-(T1-SEC_DOT): C55.2 T1.6
Net-(T2-SEC): C58.2 T2.4
Net-(T2-SEC_DOT): C56.2 T2.6
Net-(T3-SEC): C60.2 T3.4
Net-(T3-SEC_DOT): C59.2 T3.6
Net-(T4-SEC): C62.2 T4.4
Net-(T4-SEC_DOT): C61.2 T4.6
Net-(U4-1A): U3.1 U4.2 U4.5
Net-(U4-1Y): R5.1 U4.6
Net-(U4-2Y): R6.1 U4.3
Net-(U5-1A): U2.1 U5.2 U5.5
Net-(U5-1Y): R8.1 U5.6
Net-(U5-2Y): R9.1 U5.3
Net-(U7-1A): U6.1 U7.2 U7.5
Net-(U7-1Y): R22.1 U7.6
Net-(U7-2Y): R23.1 U7.3
Net-(U9-A0): R10.2 U9.1
Net-(U9-A1): R11.2 U9.2
Net-(U9-A2): R12.2 U9.3
Net-(U10-1A): U8.1 U10.2 U10.5
Net-(U10-1Y): R25.1 U10.6
Net-(U10-2Y): R26.1 U10.3
Net-(U12-1A): U11.1 U12.2 U12.5
Net-(U12-1Y): R28.1 U12.6
Net-(U12-2Y): R29.1 U12.3
Net-(U14-1A): U13.1 U14.2 U14.5
Net-(U14-1Y): R31.1 U14.6
Net-(U14-2Y): R32.1 U14.3
Net-(U16-1A): U15.1 U16.2 U16.5
Net-(U16-1Y): R34.1 U16.6
Net-(U16-2Y): R35.1 U16.3
Net-(U18-X1): U18.4 Y1.2
Net-(U18-X2): U18.7 Y1.4
Net-(U18-XA): U18.5 Y1.1
Net-(U18-XB): U18.6 Y1.3
Net-(U19-X1): U19.4 Y2.2
Net-(U19-X2): U19.7 Y2.4
Net-(U19-XA): U19.5 Y2.1
Net-(U19-XB): U19.6 Y2.3
Net-(U20-EN): C46.1 R87.2 U20.1 U20.3
Net-(U21-EN): C47.1 R86.2 U21.1 U21.3
Net-(U22-EN): C48.1 C49.1 R88.2 U22.3 U22.5
Net-(U22-SW): C52.2 L1.1 U22.2
Net-(U22-VBST): C52.1 U22.6
Net-(U22-VFB): R66.2 R67.1 U22.4
Net-(U24-EN): C75.1 R99.2 U24.1 U24.3
Net-(U26-DIR): R68.1 U26.2
Net-(U27-DIR): R70.1 U27.2
Net-(U28-EN): C77.1 R98.2 U28.1 U28.3
Net-(U29-1A): U17.1 U29.2 U29.5
Net-(U29-1Y): R37.1 U29.6
Net-(U29-2Y): R38.1 U29.3
Net-(U31-1A): U30.1 U31.2 U31.5
Net-(U31-1Y): R40.1 U31.6
Net-(U31-2Y): R41.1 U31.3
Net-(U33-1A): U32.1 U33.2 U33.5
Net-(U33-1Y): R46.1 U33.6
Net-(U33-2Y): R47.1 U33.3
Net-(U35-1A): U34.1 U35.2 U35.5
Net-(U35-1Y): R49.1 U35.6
Net-(U35-2Y): R50.1 U35.3
Net-(U37-1A): U36.1 U37.2 U37.5
Net-(U37-1Y): R52.1 U37.6
Net-(U37-2Y): R53.1 U37.3
Net-(U39-1A): U38.1 U39.2 U39.5
Net-(U39-1Y): R55.1 U39.6
Net-(U39-2Y): R56.1 U39.3
Net-(U41-1A): U40.1 U41.2 U41.5
Net-(U41-1Y): R58.1 U41.6
Net-(U41-2Y): R59.1 U41.3
